# Altium PCB PCB1.PcbDoc
Units mil, origin at the board's own origin, x right, y up, seen from the top; angles counter-clockwise.
Board outline 2660.75 x 1000 mil, 5 copper layers (Top Layer, Layer 1, Mid-Layer 1, Layer 2, Bottom Layer), stack 37.756 mil thick; 50 components, 58 nets, 269 pads, 199 vias.
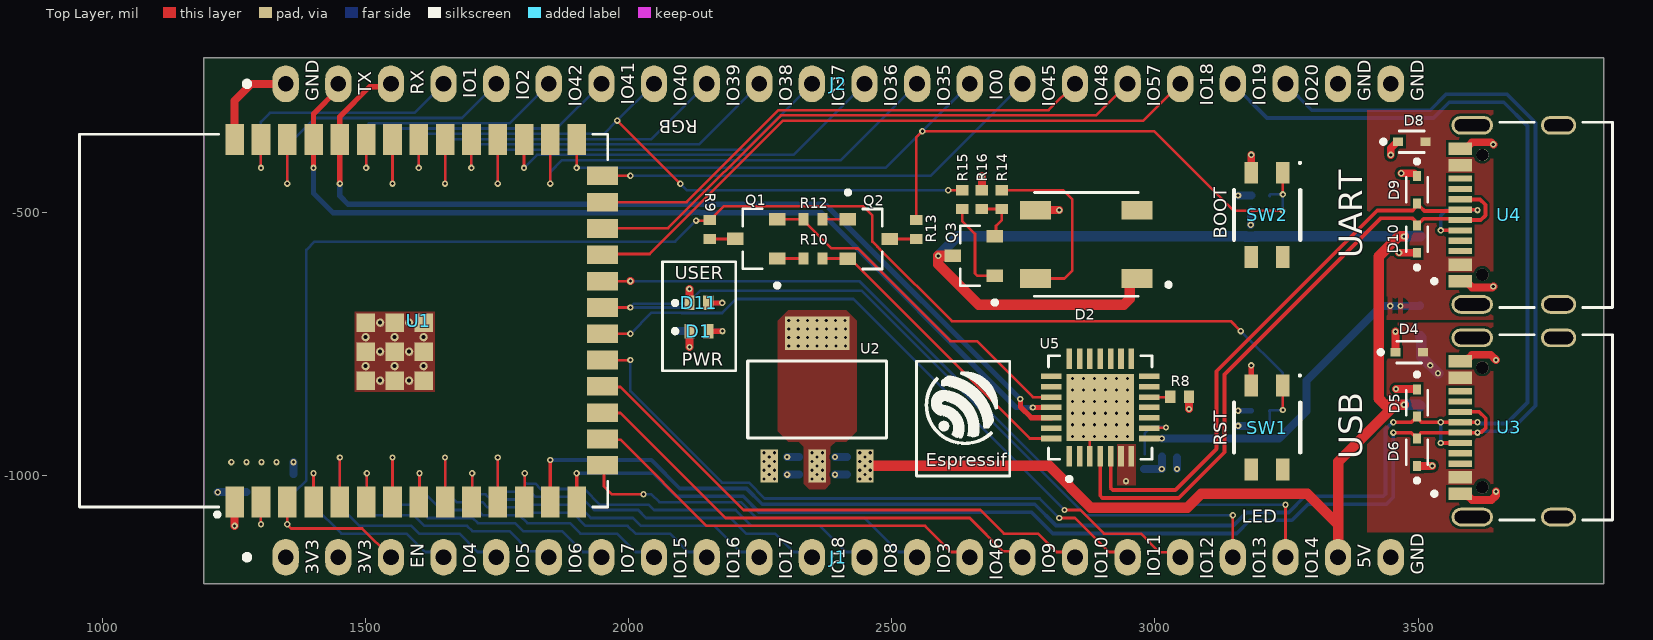
[diagram p0: Top Layer view]
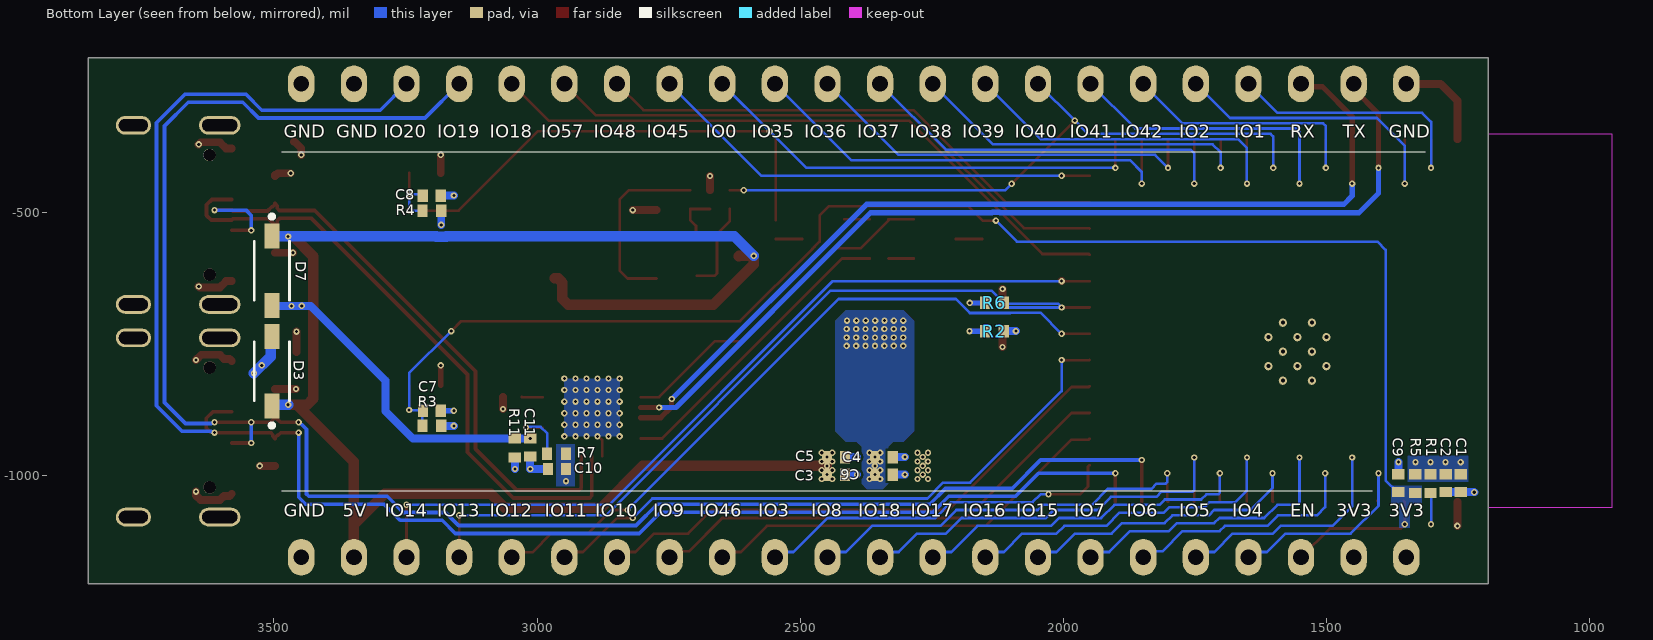
[diagram p1: Bottom Layer view, seen from below]
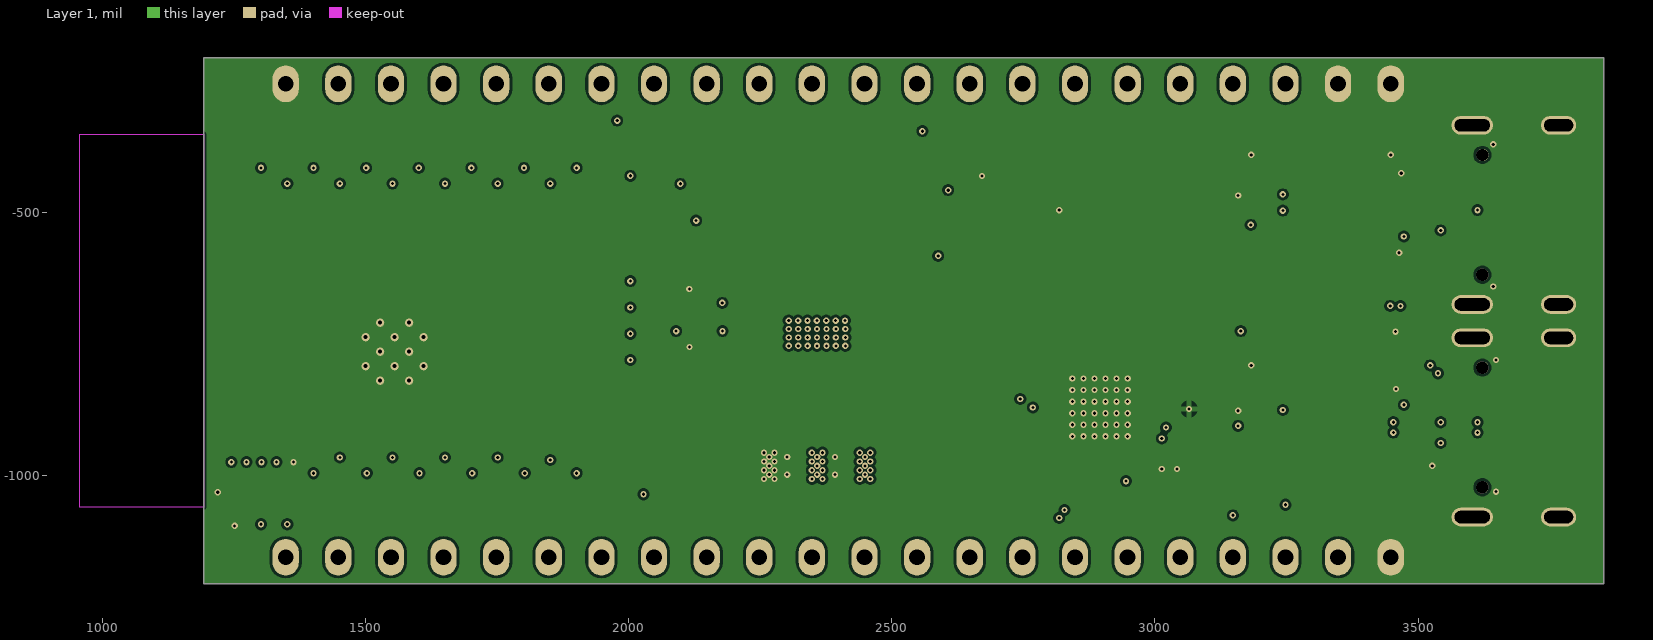
[diagram p2: Layer 1]
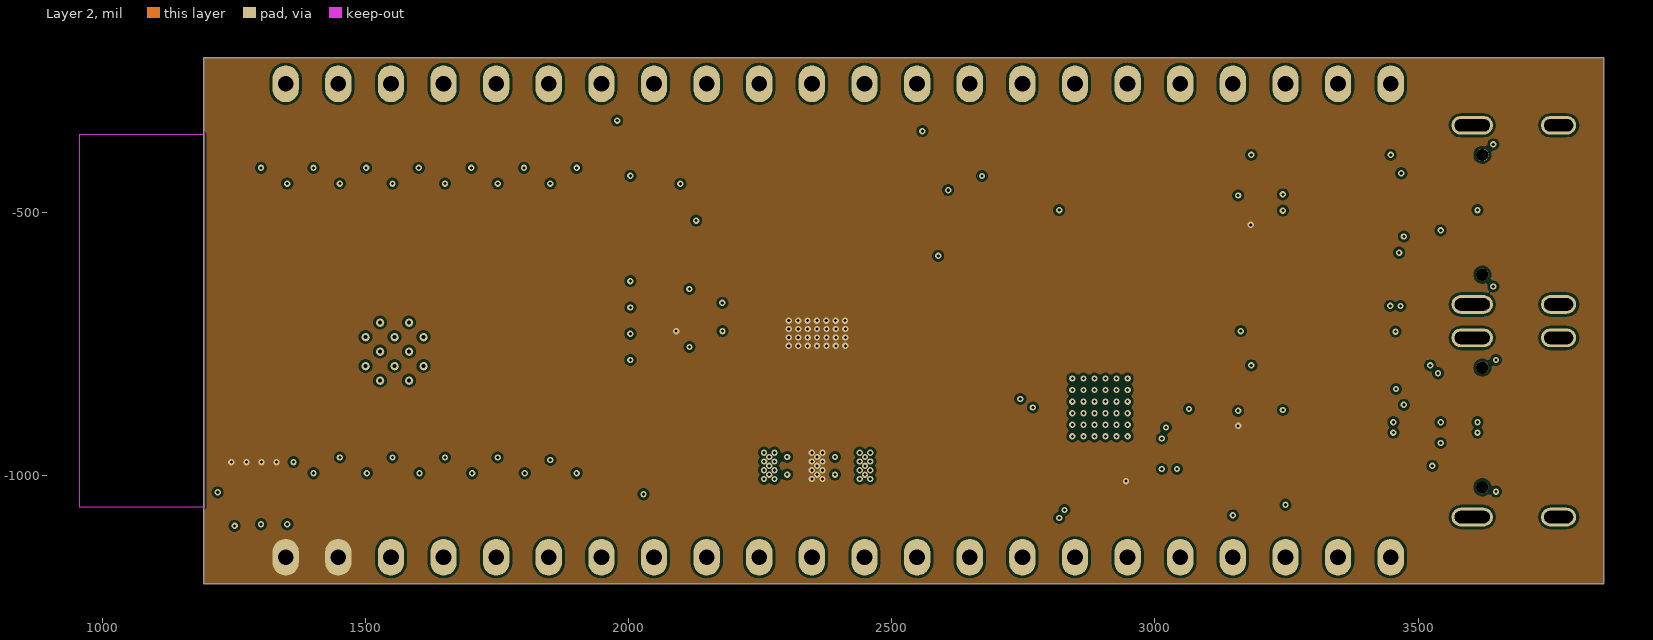
[diagram p3: Layer 2]
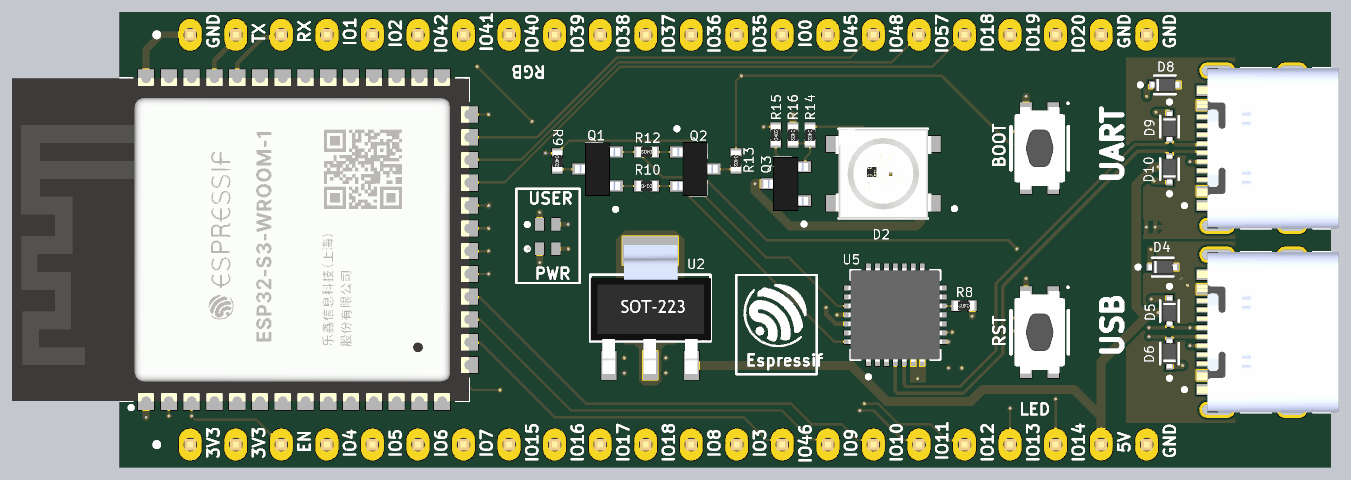
[diagram p4: 3D render of the assembled board from above, using the file's embedded part models]
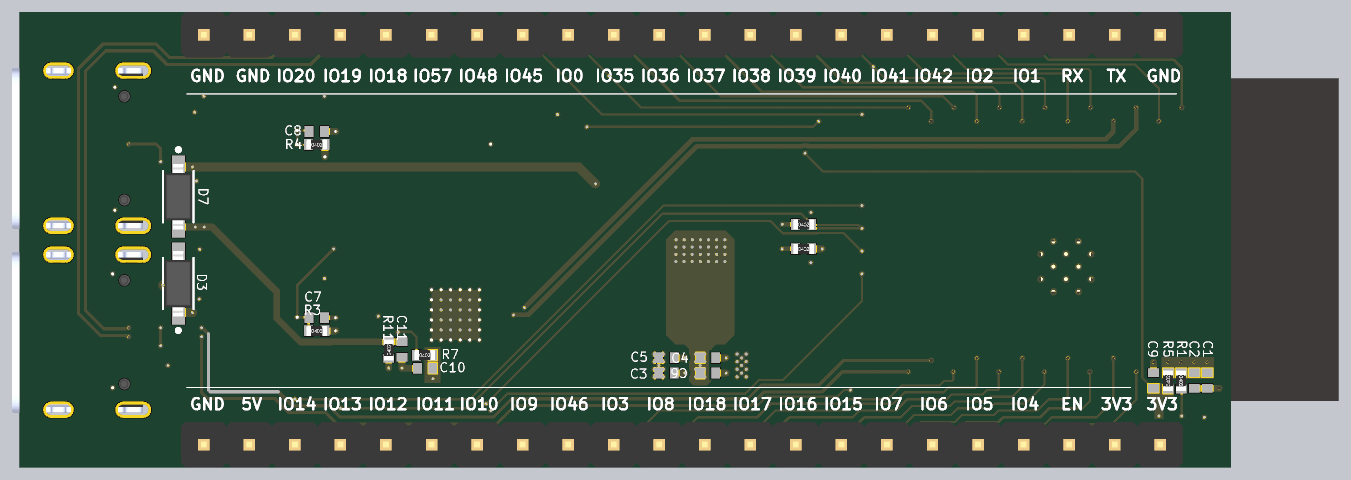
[diagram p5: 3D render of the assembled board from below, using the file's embedded part models]

## Layer stack, top to bottom
Top Solder: solder mask 0.4, Solder Resist, Dk 3.5
Top Layer: signal copper 1.4
Dielectric 2: prepreg 2.8, PP-006, Dk 4.1
Layer 1: signal copper 1.378
Dielectric 1: dielectric 12.6, FR-4, Dk 4.8
Mid-Layer 1: signal copper 1.4
Dielectric2: dielectric 12.6, FR-4, Dk 4.8
Layer 2: signal copper 1.378
Dielectric 3: prepreg 2.8, PP-006, Dk 4.1
Bottom Layer: signal copper 1.4
Bottom Solder: solder mask 0.4, Solder Resist, Dk 3.5

## Board outline
1192.25,-1206 1192.25,-206 3853,-206 3853,-1206

## Design rules (kind name [scope] priority, off if disabled: settings)
Clearance [All] p1: gap=5 ignorepadtopadclearanceinfootprint=TRUE
ComponentClearance [All] p1: gap=1 collisioncheckmode=3 verticalgap=100000 showdistances=FALSE
DiffPairsRouting DIFF90.1 [InDifferentialPair('Con1_USB')] p1: maxlimit=15 minlimit=5 mostfreqgap=8 toplayer_minwidth=7 toplayer_maxwidth=7 toplayer_prefwidth=7 midlayer1_maxgap=10 midlayer1_minwidth=7 midlayer1_maxwidth=7 midlayer1_prefwidth=7 midlayer2_maxgap=10 midlayer2_minwidth=7 midlayer2_maxwidth=7 midlayer2_prefwidth=7 midlayer3_maxgap=10 midlayer3_minwidth=7 midlayer3_maxwidth=7 midlayer3_prefwidth=7 bottomlayer_maxgap=10 bottomlayer_minwidth=7 bottomlayer_maxwidth=7 bottomlayer_prefwidth=7 maxuncoupledlength=500
DiffPairsRouting DIFF90 [InDifferentialPair('UART_USB')] p2: maxlimit=10 minlimit=8 mostfreqgap=8 toplayer_maxgap=8 toplayer_minwidth=7 toplayer_maxwidth=7 toplayer_prefwidth=7 midlayer1_minwidth=7 midlayer1_maxwidth=7 midlayer1_prefwidth=7 midlayer2_minwidth=7 midlayer2_maxwidth=7 midlayer2_prefwidth=7 midlayer3_minwidth=7 midlayer3_maxwidth=7 midlayer3_prefwidth=7 bottomlayer_maxgap=8 bottomlayer_minwidth=7 bottomlayer_maxwidth=7 bottomlayer_prefwidth=7 maxuncoupledlength=500
LayerPairs [All] p1: enforce=FALSE
PlaneConnect [All] p1: planeconnectstyle=Direct reliefexpansion=20 reliefentries=4 reliefconductorwidth=10 reliefairgap=10
PolygonConnect [All] p1: connectstyle=Direct reliefconductorwidth=10 reliefentries=4 polygonreliefangle="90 Angle" airgapwidth=10
RoutingLayers [All] p1: top layer_v5=TRUE mid layer 1_v5=FALSE mid layer 2_v5=TRUE mid layer 3_v5=TRUE bottom layer_v5=TRUE
RoutingVias [All] p1: holewidth=12 width=24 viastyle="Through Hole" minholewidth=12 minwidth=24 maxholewidth=12 maxwidth=24
SilkToSilkClearance [All] p1: silktosilkclearance=1
SolderMaskExpansion [All] p1: expansion=2 istentingtop=FALSE
UnRoutedNet [All] p1: checkbadconnections=TRUE
Width [All] p1: maxlimit=20 minlimit=5 preferedwidth=10 midlayer1_minwidth=10 midlayer2_minwidth=10 midlayer3_minwidth=10 minimp=50.000000 maximp=50.000000 favimp=50.000000
23 further rules are at their usual default settings.

## Classes and differential pairs
differential pair class DIFF90: Con1_USB UART_USB
component class "USB to UART": C10 C11 R7 R8 R9 R10 R11 R12 R13 U5
component class "Power Circuit": C3 C4 C5 C6 C7 C8 D1 R2 R3 R4 SW1 SW2 U2
component class Peripherals: D2 Q3 R14 R15 R16
component class "MCU Module": C1 C2 C9 D11 R1 R5 R6 R21 U1
component class Connectors: D3 D4 D5 D6 D7 D8 D9 D10 J1 J2 U3 U4
differential pair UART_USB: +UART_USB_P -UART_USB_N
differential pair Con1_USB: +Con1_USB_P -Con1_USB_N

## Components (designator, comment, footprint, x,y, rotation, side; value= is the part's Value field where it differs from the comment)
C1 "0.1uf" C0402 1244.74,-1015 r270 bottom
C2 "10uf" C0402 1273.37,-1015 r270 bottom
C3 "0.1uF" C0402 2341,-998.67 r0 bottom
C4 "10uF" C0402 2341,-965.33 r0 bottom
C5 "10uF" C0402 2431.99,-965.33 r0 bottom
C6 "0.1uF" C0402 2431.99,-998.67 r0 bottom
C7 "0.1uF" C0402 3200,-877.37 r0 bottom
C8 "0.1uF" C0402 3200.09,-468.37 r0 bottom
C9 "1uF" C0402 1363,-1015 r270 bottom
C10 "10uF" C0402 2962.09,-988 r180 bottom
C11 "1uF" C0402 3013,-947.05 r90 bottom
D1 "LED" LED0402 2133,-726 r0 top
D2 "WS2812B" WS28128B 2869.46,-560.96 r180 top
D3 "Diode" Diode 3504.82,-802.55 r90 bottom
D4 "LSD" LSD 3483,-766 r0 top
D5 "LSD" LSD 3498,-862.47 r270 top
D6 "LSD" LSD 3498,-956 r90 top
D7 "Diode" Diode 3503,-611 r270 bottom
D8 "LSD" LSD 3488,-366 r0 top
D9 "LSD" LSD 3498,-457.47 r270 top
D10 "LSD" LSD 3498,-551 r90 top
D11 "LED" LED0402 2133,-672.33 r0 top
J1 "22x1 male header" PCBComponent_1 2397.98,-1155.93 r0 top
J2 "22x1 male header" PCBComponent_1 2397.98,-256.25 r0 top
Q1 "Transistor" Transistor 2244,-551 r180 top
Q2 "Transistor" Transistor 2454.53,-550.51 r0 top
Q3 "Transistor" Transistor 2657.51,-583.4 r180 top
R1 "0" R0402 1303,-1013.91 r270 bottom
R2 "5K" R0402 2133,-727 r180 bottom
R3 "1K" R0402 3201.91,-907 r180 bottom
R4 "1K" R0402 3202,-498 r180 bottom
R5 "10K" R0402 1329.63,-1017.91 r90 bottom
R6 "5K" R0402 2132.91,-673.33 r180 bottom
R7 "1K" R0402 2965,-960.37 r180 bottom
R8 "10K" R0402 3048.91,-850 r180 top
R9 "1K" R0402 2153,-531 r270 top
R10 "1K" R0402 2348.07,-589 r0 top
R11 "47.5K" R0402 3041,-949.97 r90 bottom
R12 "1K" R0402 2352.07,-512.2 r180 top
R13 "1K" R0402 2545.13,-531 r270 top
R14 "1K" R0402 2707.82,-474.07 r270 top
R15 "1K" R0402 2634.56,-478.07 r90 top
R16 "10K" R0402 2670.19,-474.07 r270 top
SW1 "NTC013-AT1J-A160T" "Tactile sw" 3213,-904.15 r270 top
SW2 "NTC013-AT1J-A160T" "Tactile sw" 3213,-500.17 r270 top
U1 "ESP32-S3-WROOM-1" ESP32 1483.15,-700.94 r90 top
U2 "LM1117-3.3" SOT223 2358,-856 r0 top
U3 "Type C" "Type C" 3712.09,-909.01 r90 top
U4 "Type C" "Type C" 3712.09,-505.02 r90 top
U5 "CP2102N" QFN28 2896.03,-871 r90 top

## Footprints (in the part's own frame and the unit in brackets; to place one, negate y for a bottom-side part, rotate by r counter-clockwise, add the part's x,y. Pads: shape width x height; smd on the part's side, far side on the other; paste and mask are expansions set on the pad)
C0402 [mm]
  rect 0.49x0.6 smd: 01(-0.432,0) 02(0.432,0)
  body extent -0.52,-0.26 0.52,0.26, height 0.53
Diode [mm]
  rect 1.21x0.73 smd: A(1.69,-0.023) C(-1.67,-0.023)
  silkscreen extent -2.71,-0.87 1.44,0.83, body extent -1.81,-0.8 1.84,0.75, height 1.54
ESP32 [mm]
  rect 1.5x0.9 smd: 2(-8.877,4.625) 3(-8.877,3.355) 4(-8.877,2.085) 5(-8.877,0.815) 6(-8.877,-0.455) 7(-8.877,-1.725) 8(-8.877,-2.995) 9(-8.877,-4.265) 10(-8.877,-5.535) 11(-8.877,-6.805) 12(-8.877,-8.075) 13(-8.877,-9.345) 14(-8.877,-10.615) 27(8.623,-10.615) 28(8.623,-9.345) 29(8.623,-8.075) 30(8.623,-6.805) 31(8.623,-5.535) 32(8.623,-4.265) 33(8.623,-2.995) 34(8.623,-1.725) 35(8.623,-0.455) 36(8.623,0.815) 37(8.623,2.085) 38(8.623,3.355) 39(8.623,4.625) GND(-8.877,5.895) GND(8.623,5.895)
  rect 0.9x1.5 smd: 15(-7.112,-11.865) 16(-5.842,-11.865) 17(-4.572,-11.865) 18(-3.302,-11.865) 19(-2.032,-11.865) 20(-0.762,-11.865) 21(0.508,-11.865) 22(1.778,-11.865) 23(3.048,-11.865) 24(4.318,-11.865) 25(5.588,-11.865) 26(6.858,-11.865)
  round 0.4 hole 0.2 mask+0: GND(-3.027,-2.525) GND(-3.027,-1.125) GND(-2.327,-1.825) GND(-2.327,-0.425) GND(-2.327,-3.225) GND(-1.627,-2.525) GND(-1.627,-1.125) GND(-0.927,-0.425) GND(-0.927,-3.225) GND(-0.927,-1.825) GND(-0.227,-2.525) GND(-0.227,-1.125)
  rect 0.9x0.9 smd: GND(-3.027,-1.825) GND(-3.027,-0.425) GND(-3.027,-3.225) GND(-1.627,-1.825) GND(-1.627,-0.425) GND(-1.627,-3.225) GND(-0.227,-0.425) GND(-0.227,-1.825) GND(-0.227,-3.225)
  Keep-Out Layer region: 8.873,7.385 -9.127,7.385 -9.127,13.385 8.873,13.385
  Keep-Out Layer region: 8.873,7.385 -9.127,7.385 -9.127,13.385 8.873,13.385
  silkscreen extent -9.59,-12.12 8.87,13.38, body extent -9.14,-12.12 8.88,13.38, height 3.11
LED0402 [mm]
  rect 0.5x0.7 smd mask+0.05: 1(-0.45,0) 2(0.45,0)
  silkscreen extent -1.24,-0.1 -1.04,0.1, body extent -0.51,-0.25 0.51,0.25, height 0.45
LSD [mm]
  rect 0.48x0.4 smd: 1(-0.66,0) 2(0.66,0)
  silkscreen extent -1.47,-0.52 0.6,0.52, body extent -0.8,-0.4 0.8,0.4, height 0.7
PCBComponent_1 [mil]
  oval 50x70 hole 30: 1(-1049.98,0.25) 2(-949.98,0.25) 3(-849.98,0.25) 4(-749.98,0.25) 5(-649.98,0.25) 6(-549.98,0.25) 7(-449.98,0.25) 8(-349.98,0.25) 9(-249.98,0.25) 10(-149.98,0.25) 11(-49.98,0.25) 12(50.02,0.25) 13(150.02,0.25) 14(250.02,0.25) 15(350.02,0.25) 16(450.02,0.25) 17(550.02,0.25) 18(650.02,0.25) 19(750.02,0.25) 20(850.02,0.25) 21(950.02,0.25) 22(1050.02,0.25)
  silkscreen extent -1129,-5 -1119,5, body extent -1100,-50 1100,50, height 77
QFN28 [mm]
  rect 0.99x0.27 smd: 1(-2.36,1.5) 2(-2.36,1) 3(-2.36,0.5) 4(-2.36,0) 5(-2.36,-0.5) 6(-2.36,-1) 7(-2.36,-1.5) 15(2.36,-1.5) 16(2.36,-1) 17(2.36,-0.5) 18(2.36,0) 19(2.36,0.5) 20(2.36,1) 21(2.36,1.5)
  rect 0.27x0.99 smd: 8(-1.5,-2.36) 9(-1,-2.36) 10(-0.5,-2.36) 11(0,-2.36) 12(0.5,-2.36) 13(1,-2.36) 14(1.5,-2.36) 22(1.5,2.36) 23(1,2.36) 24(0.5,2.36) 25(0,2.36) 26(-0.5,2.36) 27(-1,2.36) 28(-1.5,2.36)
  rect 3.25x3.25 smd paste-0.597: 29(0,0)
  silkscreen extent -3.55,-2.5 2.5,2.5, body extent -2.6,-2.6 2.6,2.6, height 0.95
R0402 [mm]
  rect 0.49x0.6 smd: 01(-0.404,0.025) 02(0.506,0.025)
  body extent -0.52,-0.25 0.63,0.3, height 0.41
SOT223 [mil]
  rect 33x63 smd: 1(-91,-126) 2(0,-126) 3(91,-126)
  rect 122x63 smd: 4(0,126)
  silkscreen extent -132,-73 132,73, body extent -131,-145 133,139, height 74
"Tactile sw" [mm]
  rect 1.05x0.65 smd: 1(-1.905,0.762) 2(2.159,0.762) 3(-1.905,-0.762) 4(2.159,-0.762)
  silkscreen extent -2.44,-1.6 1.33,1.63, body extent -2.17,-1.4 2.43,1.4, height 1.9
Transistor [mm]
  rect 0.8x0.6 smd: 1(-0.965,0.94) 2(-0.965,-0.96) 3(1.055,-0.01)
  silkscreen extent -1.07,-1.46 0.69,2.34, body extent -1.2,-1.5 1.3,1.5, height 1.08
"Type C" [mm]
  rect 0.6x1.14 smd mask+0.05: A1_B12(-3.2,3.353) A4_B9(-2.4,3.353) B1_A12(3.2,3.353) B4_A9(2.4,3.353)
  rect 0.3x1.14 smd mask+0.05: A5(-1.25,3.353) A6(-0.25,3.353) A7(0.25,3.353) A8(1.25,3.353) B5(1.75,3.353) B6(0.75,3.353) B7(-0.75,3.353) B8(-1.75,3.353)
  oval 0.9x2 hole 0.6 slot 1.7 at 90 deg: S1(-4.325,2.773) S2(4.325,2.773)
  oval 0.9x1.7 hole 0.6 slot 1.4 at 90 deg: S3(-4.325,-1.397) S4(4.325,-1.397)
  round 0.6 hole 0.6 unplated: ""(-2.89,2.283) ""(2.89,2.283)
  silkscreen extent -4.47,-4 4.47,4.7, body extent -4.47,-4 4.47,3.91, height 3.31
WS28128B [mm]
  rect 1.5x0.9 smd: 1(-2.45,1.65) 2(-2.45,-1.65) 3(2.45,-1.65) 4(2.45,1.65)
  silkscreen extent -4.07,-2.5 2.5,2.5, body extent -2.68,-2.5 2.67,2.5, height 1.5

## Part data
C1 C2 C3 C4 C5 C6 C7 C8 C9 C10 C11: library part Cap
D2: "Intelligent control LED integrated light source"
R1 R2 R3 R4 R5 R6 R7 R8 R9 R10 R11 R12 R13 R14 R15 R16: library part Res
U1: "Bluetooth, WiFi 802.11b/g/n, Bluetooth v5.0 Transceiver Module 2.4GHz PCB Trace Surface Mount"
U2: "Linear Voltage Regulator IC Positive Fixed 1 Output 800mA DDPAK/TO-263-3"
U3 U4: "USB Connectors 24 Receptacle 1 8.94*7.3mm RoHS"
U5: "USB Bridge, USB to UART USB 2.0 UART Interface 28-QFN (5x5)"

## Via types
v1: diameter 12, hole 6, Top Layer to Bottom Layer, tented both sides, 198 vias
v2: diameter 12, hole 6, Top Layer to Bottom Layer, tented top, 1 vias

## Nets (pads, with @x,y where several pads share a name; then routed paths per layer and width w, separated by ;. In a path a pad name is that pad's centre, name@x,y a point inside that pad or via, vN(x,y) a via of type N, cw(c..) or ccw(c..) an arc to the next point about the centre after c; other vN are vias at no path point)
+3V3: C1.01 C2.01 C3.02 C4.02 C10.02 J1.1 J1.2 R1.01 R2.02 R3.02 R4.02 R5.02 R7.02 U2.2 U2.4 U5.6 U5.7 | length 74.1
  Bottom Layer w15: v1(2090,-726) R2.02 ; v1(3158,-906) R3.02 ; v1(3182.09,-524) R4.02
  other v1: 2945.09,-1011.09 2348,-1007 2368,-1007 2358,-998.67 2348,-990.33 2368,-990.33 2358,-982 1244.74,-975 1273.37,-975 1302,-975 1330.63,-975 2348,-973.67 2368,-973.67 2358,-965.33 2348,-957 2368,-957 2304,-754 2321.93,-754 2339.85,-754 2357.78,-754 2375.7,-754 2393.63,-754 2411.55,-754 2304,-738 2321.93,-738 2339.85,-738 2357.78,-738 2375.7,-738 2393.63,-738 2411.55,-738 2304,-722 2321.93,-722 2339.85,-722 2357.78,-722 2375.7,-722 2393.63,-722 2411.55,-722 2304,-706 2321.83,-706 2339.67,-706 2357.5,-706 2375.33,-706 2393.17,-706 2411,-706
+5V: C5.02 C6.02 D2.1 D3.C D7.C J1.21 Q3.3 U2.3 | length 3145.7
  Top Layer w20: v1(2448.99,-982) 2798.75,-982 2878.25,-1061.5 3061.33,-1061.5 3087.83,-1035 3289,-1035 3348,-1094 ; Q3.3@2616.53,-583.56 Q3.3 v1(2588,-583) 2588,-599 2665,-676 2940.39,-676 2952.11,-664.28 2952.11,-633.64 2959.82,-625.92 D2.1 ; J1.21 3348,-1094 ; v1(3473,-866) 3456.47,-866 ; v1(3473,-546) 3463.15,-546 3425,-584.15 3425,-854 3437,-866 3456.47,-866 ; 3348,-1094 3348,-974.47 3456.47,-866
  Bottom Layer w20: v1(2588,-583) 2625,-546 3172.27,-546 3172.77,-546.5 3191.41,-546.5 3191.91,-546 v1(3473,-546) 3503.18,-546 D7.C ; v1(3473,-866) 3501.63,-866 D3.C
  other v1: 2438.99,-1007 2458.99,-1007 2448.99,-998.67 2438.99,-990.34 2458.99,-990.34 2438.99,-973.67 2458.99,-973.67 2448.99,-965.34 2438.99,-957.01 2458.99,-957.01
Con1_USB_N: D5.2 J2.19 U1.13 U3.A7 U3.B7 | length 3387
  Top Layer w7: U1.13@1850.91,-1050.32 v1(1850.91,-971) ; v1(3453,-899.17) 3487.29,-899.17 3492.05,-894.4 3493.63,-894.4 3498,-890.03 D5.2 ; D5.2@3498.97,-891 3502.37,-894.4 3502.37,-895.06 3506.47,-899.17 v1(3543,-899.17) U3.A7 v1(3613,-899.17) ; v1(3543,-938.54) U3.B7
  Bottom Layer w7: v1(1850.91,-971) 2043,-971 2097,-1025 2223.77,-1025 2253.77,-1055 2771.49,-1055 2811.99,-1095.5 3149.01,-1095.5 3174.01,-1070.5 3254.01,-1070.5 3284.72,-1039.79 3433.9,-1039.79 3438,-1035.69 3438,-912.64 3446.79,-903.85 3446.96,-903.85 3451.65,-899.17 v1(3453,-899.17) ; J2.19 3213,-321 3529.21,-321 3559.21,-291 3663,-291 3708,-336 3708,-861.51 3668,-901.51 3618.88,-901.51 3617.49,-900.12 3613.96,-900.12 v1(3613,-899.17) ; v1(3543,-938.54) v1(3543,-899.17)
Con1_USB_P: D6.2 J2.20 U1.14 U3.A6 U3.B6 | length 3267.8
  Top Layer w7: U1.14@1900.91,-1050.32 v1(1900.91,-996) ; v1@3453.01,-918.84 3453.24,-919.07 3487.05,-919.07 3492.05,-924.07 3493.63,-924.07 3498,-928.44 D6.2 3502.37,-925.64 3502.37,-922.95 3506.47,-918.85 U3.A6 v1(3613,-918.85) 3613.96,-917.89 3620.72,-917.89 3628.68,-909.94 3628.68,-891.68 3616.48,-879.48 U3.B6
  Bottom Layer w7: v1(1900.91,-996) 2046.79,-996 2090.79,-1040 2217.56,-1040 2247.56,-1070 2765.28,-1070 2805.78,-1110.5 3155.22,-1110.5 3180.22,-1085.5 3260.22,-1085.5 3290.93,-1054.79 3440.11,-1054.79 3453,-1041.9 v1(3453,-918.85) ; J2.20 3298,-306 3523,-306 3553,-276 3669.21,-276 3723,-329.79 3723,-867.72 3674.21,-916.51 3618.88,-916.51 3617.49,-917.89 3613.96,-917.89 v1(3613,-918.85)
DTR: Q2.2 R10.02 U5.28 | length 576.8
  Top Layer w5: R10.02 2416.21,-588 2420.15,-588 2762.2,-930.06 U5.28
EN: C7.02 C9.02 J1.3 R3.01 R5.01 R9.01 SW1.1 U1.3 | length 2963.9
  Top Layer w5: U1.3@1353,-1048.24 1350.91,-1050.32 1350.91,-1093.91 1358,-1101 1493.33,-1101 J1.3 ; v1(2128,-516) 2153.09,-516 R9.01 2180.2,-488.89 2445.89,-488.89 2463,-506 2463,-556 2472.49,-565.49 2476.88,-569.91 2614,-707 3144,-707 v1(3163,-726) ; v1(3243,-876) SW1.1
  Bottom Layer w5: C9.02 1365.17,-1032 1387.41,-1009.75 1387.41,-571.59 1403,-556 2088,-556 v1(2128,-516) ; v1(3163,-726) 3243,-806 v1(3243,-876) 3218.37,-876 C7.02 3217.83,-878.19 R3.01
  other v1: 1351,-1093
GND: C1.02 C2.02 C3.01 C4.01 C5.01 C6.01 C7.01 C8.01 C9.01 C10.01 C11.01 D1.1 D2.3 D4.1 D5.1 D6.1 D8.1 D9.1 D10.1 D11.1 J1.22 J2.1 J2.21 J2.22 R8.01 R11.01 R16.01 SW1.3 SW2.3 U1.GND U2.1 U3.A1_B12 U3.B1_A12 U3.S1 U3.S2 U3.S3 U3.S4 U4.A1_B12 U4.B1_A12 U4.S1 U4.S2 U4.S3 U4.S4 U5.3 U5.29 | length 1304
  Top Layer w5: U5.3 2876.34,-932.48 2882.82,-926 v1(2885,-926)
  Top Layer w10: SW1.3 v1(3183,-791)
  Top Layer w15: v1(1250.91,-1096) U1.GND@1250.91,-1050.32 ; U1.GND@1250.91,-361.35 1250.91,-288.09 1283,-256 J2.1 ; D11.1@2115.2,-672.33 v1(2115.2,-646) ; v1(2115.28,-756) D1.1 D1.1@2116.46,-727.18 ; R16.01 v1(2671.19,-431) ; D2.3 v1(2818,-496) ; v1(3064.83,-874) R8.01 ; SW2.3 v1(3183,-391) ; v1(3448,-391) 3448,-378.44 3460.44,-366 D8.1 ; D4.1 v1(3457.02,-726.98) ; v1(3458,-836) 3497.63,-836 3498,-836.37 D5.1 ; v1(3463.98,-576.98) D10.1 ; v1(3468,-426) 3492.51,-426 3496.05,-429.54 3497.63,-429.54 3498,-429.91 D9.1 ; D6.1 v1(3527.02,-981.98) ; U3.A1_B12 3584.4,-1039.3 3595.03,-1039.3 3602.82,-1047.1 3639.21,-1047.1 3648,-1038.31 v1(3648,-1031) ; U3.B1_A12 3584.4,-778.71 3595.03,-778.71 3602.82,-770.92 3637.92,-770.92 v1(3648,-781) ; U4.A1_B12 3590.72,-631.01 3602.82,-643.11 3640.89,-643.11 v1(3643,-641) ; U4.B1_A12 3590.72,-379.04 3602.82,-366.93 3638.93,-366.93 v1(3643,-371)
  Bottom Layer w10: v1(3158,-877.37) C7.01
  Bottom Layer w15: v1(1218.75,-1032.25) 1219,-1032 C1.02 C2.02 ; C9.01 v1(1363,-975) ; v1(2301,-998.67) C3.01 ; v1(2301,-965.33) C4.01 ; v1(2392,-998.67) C6.01 ; v1(2392,-965.33) C5.01 ; C10.01 v1(3013,-988) C11.01 ; v1(3042,-988) R11.01 ; v1(3158,-468.37) C8.01
  other v1: 2257,-1007 2277,-1007 2267,-998.67 2257,-990.33 2277,-990.33 2267,-982 2257.19,-973.67 2277,-973.67 2267,-965.33 2257,-957 2277,-957 2843,-926 2864,-926 2906,-926 2927,-926 2948,-926 2843,-904 2864,-904 2885,-904 2906,-904 2927,-904 2948,-904 2843,-882 2864,-882 2885,-882 2906,-882 2927,-882 2948,-882 2843,-860 2864,-860 2885,-860 2906,-860 2927,-860 2948,-860 2843,-838 2864,-838 2885,-838 2906,-838 2927,-838 2948,-838 2843,-816 2864,-816 2885,-816 2906,-816 2927,-816 2948,-816
IO0: C8.02 J2.14 R4.01 R13.01 SW2.1 U1.27 | length 1911.2
  Top Layer w5: v1(1900.91,-415.67) U1.27@1900.91,-361.35 ; R13.01 2546.13,-357.87 v1(2558,-346) 2998,-346 3149,-497 v1@3240,-497 ; v1(3243,-466) SW2.1
  Bottom Layer w5: v1(1900.91,-415.67) 2488.33,-415.67 v1(2558,-346) J2.14 ; R4.01 v1(3243,-497) v1(3243,-466) 3219.45,-466 C8.02 C8.02@3218,-469.28
IO1: J2.4 U1.39 | length 518.9
  Top Layer w5: v1(1300.91,-415.67) U1.39@1300.91,-361.35
  Bottom Layer w5: v1(1300.91,-415.67) 1300.91,-328.09 1318,-311 1593,-311 J2.4
IO2: J2.5 U1.38 | length 601.9
  Top Layer w5: v1(1350.91,-445.67) U1.38@1350.91,-361.35
  Bottom Layer w5: v1(1350.91,-445.67) 1350.91,-374.09 1404,-321 1683,-321 J2.5
IO3: J1.13 U1.15 | length 692.1
  Top Layer w5: U1.15@1950.13,-980.84 1953,-983.71 1953,-1021 1968,-1036 v1(2028,-1036)
  Bottom Layer w5: v1(2028,-1036) 2043,-1036 2058,-1051 2213,-1051 2243,-1081 2448,-1081 2512.76,-1145.76 2538.09,-1145.76 J1.13
IO4: J1.4 U1.4 | length 406.9
  Top Layer w5: v1(1400.91,-996) 1400.91,-1050.32 U1.4@1403,-1048.24
  Bottom Layer w5: v1(1400.91,-996) 1400.91,-1058.09 1453.83,-1111 1578,-1111 1612.76,-1145.76 1638.09,-1145.76 J1.4
IO5: J1.5 U1.5 | length 514.4
  Top Layer w5: U1.5@1450.91,-1050.32 v1(1450.91,-966)
  Bottom Layer w5: v1(1450.91,-966) 1450.91,-1058.91 1488,-1096 1586.79,-1096 1601.79,-1111 1678,-1111 1712.76,-1145.76 1738.09,-1145.76 J1.5
IO6: J1.6 U1.6 | length 504.4
  Top Layer w5: U1.6@1500.91,-1050.32 1502.29,-1048.95 v1(1502.29,-996)
  Bottom Layer w5: v1(1502.29,-996) 1502.29,-1060.29 1518,-1076 1591.79,-1076 1611.79,-1096 1693,-1096 1703,-1106 1773,-1106 1811.58,-1144.58 1836.9,-1144.58 J1.6
IO7: J1.7 U1.7 | length 611
  Top Layer w5: U1.7@1550.91,-1050.32 v1(1550.91,-966)
  Bottom Layer w5: v1(1550.91,-966) 1550.91,-1053.07 1553.84,-1056 1593,-1056 1618,-1081 1703,-1081 1713,-1091 1784.21,-1091 1799.21,-1106 1873,-1106 1912.76,-1145.76 1938.09,-1145.76 J1.7
IO8: J1.12 U1.12 | length 776.7
  Top Layer w5: U1.12@1800.91,-1050.32 1802.29,-1048.95 v1(1802.29,-996)
  Bottom Layer w5: v1(1802.29,-996) 1802.29,-1013.07 1805.22,-1016 1822.29,-1016 1832.29,-1026 1915.43,-1026 1945.43,-1056 2038,-1056 2048,-1066 2203,-1066 2233,-1096 2363,-1096 2412.76,-1145.76 2438.09,-1145.76 J1.12
IO9: J1.15 U1.17 | length 911.7
  Top Layer w5: U1.17@1950.13,-880.84 1950.78,-881.49 1984.22,-881.49 2183.73,-1081 2648,-1081 2711.58,-1144.58 2736.9,-1144.58 J1.15
IO10: J1.16 U1.18 | length 1032.4
  Top Layer w5: U1.18@1950.13,-830.84 1951.51,-832.22 1984.22,-832.22 2218,-1066 2668,-1066 2713,-1111 2778,-1111 2812.76,-1145.76 2838.09,-1145.76 J1.16
IO11: J1.17 U1.19 | length 1187.7
  Top Layer w5: U1.19@1950.13,-780.84 1950.29,-781 v1(2003,-781) ; v1(2818,-1081) 2848,-1081 2912.76,-1145.76 2938.09,-1145.76 J1.17
  Bottom Layer w5: v1(2003,-781) 2003,-840 2177,-1014 2228.33,-1014 2258.33,-1044 2781,-1044 v1(2818,-1081)
IO12: J1.18 U1.20 | length 1329.1
  Top Layer w5: U1.20@1950.13,-730.84 1950.29,-731 v1(2003,-731) ; v1(2828,-1066) 2858,-1066 2903,-1111 2973,-1111 3008,-1146 3022.63,-1146 3032.31,-1155.67 J1.18
  Bottom Layer w5: v1(2003,-731) 2043,-691 2099.61,-691 2100.25,-691.64 2177.55,-691.64 2204.2,-665 2427,-665 v1(2828,-1066)
IO13: J1.19 R6.02 U1.21 | length 1577.7
  Top Layer w5: U1.21@1950.13,-680.84 1950.29,-681 v1(2003,-681) ; J1.19 v1(3148,-1076)
  Bottom Layer w5: R6.02@2113,-681 v1(2003,-681) 2010.15,-673.85 2111.48,-673.85 R6.02 2136.33,-649 2441.86,-649 2868.86,-1076 v1(3148,-1076)
IO14: J1.20 U1.22 | length 1568.9
  Top Layer w5: U1.22@1950.13,-630.84 1950.29,-631 v1(2003,-631) ; J1.20 v1(3248,-1056)
  Top Layer w15: v1@2002.84,-630.84 v1(2003,-631)
  Bottom Layer w5: v1(2003,-631) 2438,-631 2863,-1056 v1@3243,-1056
IO15: J1.8 U1.8 | length 583.2
  Top Layer w5: U1.8@1600.91,-1050.32 1602.29,-1048.95 v1(1602.29,-996)
  Bottom Layer w5: v1(1602.29,-996) 1602.29,-1024.08 1644.21,-1066 1713,-1066 1723,-1076 1792.49,-1076 1807.49,-1091 1888,-1091 1908,-1111 1978,-1111 2012.76,-1145.76 2038.09,-1145.76 J1.8
IO16: J1.9 U1.9 | length 696.8
  Top Layer w5: U1.9@1650.91,-1050.32 v1(1650.91,-966)
  Bottom Layer w5: v1(1650.91,-966) 1650.91,-1028.91 1673,-1051 1721.79,-1051 1731.79,-1061 1798.7,-1061 1808.7,-1071 1893,-1071 1918,-1096 1998,-1096 2013,-1111 2078,-1111 2112.76,-1145.76 2138.09,-1145.76 J1.9
IO17: J1.10 U1.10 | length 688.5
  Top Layer w5: U1.10@1700.91,-1050.32 1702.29,-1048.95 v1(1702.29,-996)
  Bottom Layer w5: v1(1702.29,-996) 1702.29,-1033.07 1705.22,-1036 1728,-1036 1738,-1046 1806.79,-1046 1816.79,-1056 1903,-1056 1928,-1081 2008,-1081 2023,-1096 2163,-1096 2212.76,-1145.76 2238.09,-1145.76 J1.10
IO18: J1.11 U1.11 | length 798.3
  Top Layer w5: v1(1750.91,-966) 1750.91,-1050.32 U1.11@1752.29,-1048.95
  Bottom Layer w5: v1(1750.91,-966) 1750.91,-1028.07 1753.84,-1031 1813,-1031 1823,-1041 1909.21,-1041 1934.21,-1066 2018,-1066 2033,-1081 2193,-1081 2223,-1111 2278,-1111 2312.76,-1145.76 2338.09,-1145.76 J1.11
IO21: J2.18 U1.23 | length 1232.4
  Top Layer w5: U1.23@1950.13,-580.84 1951.51,-579.45 2039.55,-579.45 2293,-326 2978,-326 J2.18
IO35: J2.13 U1.28 | length 873.2
  Top Layer w5: v1(1850.91,-445.67) U1.28@1850.91,-361.35
  Bottom Layer w5: v1(1850.91,-445.67) 1850.91,-423.09 1873,-401 2403,-401 J2.13
IO36: J2.12 U1.29 | length 767.6
  Top Layer w5: v1(1800.91,-415.67) U1.29@1800.91,-361.35
  Bottom Layer w5: v1(1800.91,-415.67) 1825.59,-391 2313,-391 J2.12
IO37: J2.11 U1.30 | length 793.7
  Top Layer w5: v1(1750.91,-445.67) U1.30@1750.91,-361.35
  Bottom Layer w5: v1(1750.91,-445.67) 1750.91,-388.09 1758,-381 2223,-381 J2.11
IO38: J2.10 U1.31 | length 684.9
  Top Layer w5: v1(1700.91,-415.67) U1.31@1700.91,-361.35
  Bottom Layer w5: v1(1700.91,-415.67) 1700.91,-386.02 1715.93,-371 2133,-371 J2.10
IO39: J2.9 U1.32 | length 699.6
  Top Layer w5: v1(1650.91,-445.67) U1.32@1650.91,-361.35
  Bottom Layer w5: v1(1650.91,-445.67) 1650.91,-378.09 1668,-361 2043,-361 J2.9
IO40: J2.8 R15.02 U1.33 | length 1312.8
  Top Layer w5: v1(1600.91,-415.67) U1.33@1600.91,-361.35 ; v1(1978,-326) v1(2098,-446) ; v1(2607.05,-458.16) R15.02
  Bottom Layer w5: v1(1600.91,-415.67) 1600.91,-356.02 1605.93,-351 1953,-351 v1(1978,-326) J2.8 ; v1(2098,-446) 2110.16,-458.16 v1(2607.05,-458.16)
IO41: J2.7 U1.34 | length 618.4
  Top Layer w5: v1(1550.91,-445.67) U1.34@1550.91,-361.35
  Bottom Layer w5: v1(1550.91,-445.67) 1550.91,-346.02 1555.93,-341 1863,-341 J2.7
IO42: J2.6 U1.35 | length 514.2
  Top Layer w5: v1(1500.91,-415.67) U1.35@1500.91,-361.35
  Bottom Layer w5: v1(1500.91,-415.67) 1500.91,-336.02 1505.93,-331 1773,-331 J2.6
IO45: J2.15 U1.26 | length 870.3
  Top Layer w5: U1.26@1950.13,-430.84 v1(2003,-430.84)
  Bottom Layer w5: v1(2003,-430.84) 2573.16,-430.84 J2.15
IO46: J1.14 U1.16 | length 791
  Top Layer w5: U1.16@1950.13,-930.84 1951.51,-932.22 1984.22,-932.22 2148,-1096 2563,-1096 2612.76,-1145.76 2638.09,-1145.76 J1.14
IO47: J2.17 U1.24 | length 1111.7
  Top Layer w5: U1.24@1950.13,-530.84 1950.8,-530.16 2074.7,-530.16 2288.86,-316 2888,-316 J2.17
IO48: J2.16 U1.25 | length 991
  Top Layer w5: U1.25@1950.13,-480.84 2109.88,-480.84 2284.72,-306 2798,-306 J2.16
NetD1_2: D1.2 R2.01 | length 56.4
  Top Layer w10: D1.2 v1(2178,-726)
  Bottom Layer w10: R2.01 v1(2178,-726)
NetD2_4: D2.4 R14.01 | length 352.8
  Top Layer w5: R14.01 2825.16,-458.16 2843,-476 2843,-611 2828,-626 2773.08,-626 D2.4
NetD11_2: D11.2 R6.01 | length 56.1
  Top Layer w10: D11.2@2150.63,-672.33 v1(2177.77,-672.33)
  Bottom Layer w10: R6.01 v1(2177.77,-672.33)
NetQ1_1: Q1.1 R10.01 | length 48.2
  Top Layer w5: Q1.1@2283.92,-588 R10.01
NetQ1_3: Q1.3 R9.02 | length 50.5
  Top Layer w5: R9.02 2204.08,-550.91 Q1.3@2204.4,-550.6
NetQ2_1: Q2.1 R12.01 | length 48.2
  Top Layer w5: R12.01 Q2.1@2416.21,-513.2
NetQ2_3: Q2.3 R13.02 | length 50.5
  Top Layer w5: Q2.3@2495.74,-550.6 Q2.3 R13.02
NetQ3_1: Q3.1 R15.01 | length 172.3
  Top Layer w5: R15.01 2633.56,-516.56 2658,-541 2658,-616 2662.96,-620.96 Q3.1@2696.06,-620.96
NetQ3_2: Q3.2 R14.02 R16.02 | length 95.1
  Top Layer w5: R16.02 R14.02 2708.82,-515.18 2698,-526 2698,-544.21 Q3.2@2696.06,-546.15
NetR1_02: R1.02 U1.2 | length 102.3
  Top Layer w5: v1(1300.91,-1093) U1.2@1300.91,-1050.32
  Bottom Layer w5: v1(1300.91,-1093) 1300.91,-1034.91 R1.02
NetR7_01: R7.01 U5.9 | length 117.5
  Top Layer w5: U5.9 2989.63,-909.68 3020.31,-909.68 v1(3021,-909)
  Bottom Layer w5: R7.01 2980.91,-920.02 2992.93,-908 3020,-908 v1(3021,-909)
NetR8_02: R8.02 U5.12 | length 40.2
  Top Layer w5: U5.12 3028.69,-851.32 R8.02
RTS: Q1.2 R12.02 U5.24 | length 660.5
  Top Layer w5: Q1.2@2283.92,-513.2 R12.02 2332.15,-515.36 2385.48,-568.69 2430.69,-568.69 2431,-569 2435.38,-569 2611.38,-745 2662,-745 2768.31,-851.32 U5.24
RX: J2.3 U1.36 U5.26 | length 1809.1
  Top Layer w10: v1(1450.91,-445.67) 1450.91,-318.09 1507.62,-261.38 1542.62,-261.38 J2.3 ; v1(2744,-855) 2744.38,-855.38 2744.38,-870.01 2765.06,-890.69 U5.26
  Bottom Layer w10: v1(1450.91,-445.67) 1450.91,-468.91 1467,-485 2374,-485 v1(2744,-855)
TX: J2.2 U1.37 U5.25 | length 1799.1
  Top Layer w10: v1(1400.91,-415.67) 1400.91,-361.35 1400.91,-313.09 1448,-266 J2.2 ; v1(2768,-871) U5.25
  Bottom Layer w10: v1(1400.91,-415.67) 1400.91,-463.91 1438,-501 2120.37,-501 2121.37,-500 2134.63,-500 2135.63,-501 2366,-501 2736,-871 v1(2768,-871)
UART_USB_N: D9.2 U4.A7 U4.B7 U5.5 | length 1221.4
  Top Layer w7: U5.5 2915.71,-1023.9 2919.81,-1028 3038.79,-1028 3117,-949.79 3117,-802 3422.26,-496.74 3489.53,-496.74 3493.63,-492.63 3493.63,-487.83 D9.2 3498,-485.03 3502.37,-489.4 3503.95,-489.4 3512.07,-497.52 3577.74,-497.52 3579.68,-495.59 3612.59,-495.59 v1(3613,-496) ; v1(3543,-534.55) U4.B7
  Bottom Layer w7: v1(3543,-534.55) 3543,-506 3553,-496 v1(3613,-496)
UART_USB_P: D10.2 U4.A6 U4.B6 U5.4 | length 1203.3
  Top Layer w7: U5.4 2896.03,-1038.9 2900.13,-1043 3045,-1043 3132,-956 3132,-808.21 3428.48,-511.74 3489.53,-511.74 3493.63,-515.84 3493.63,-520.64 D10.2 3498,-523.44 3502.37,-519.07 3503.95,-519.07 3510.49,-512.52 U4.A6@3577.74,-512.52 ; U4.A6 3619.13,-514.87 3628,-506 3628,-486 3617.75,-475.75 3580.34,-475.75 U4.B6
VB: D3.A D4.2 U3.A4_B9 U3.B4_A9 | length 84.1
  Bottom Layer w20: D3.A 3506.26,-738.35 3506.26,-774.26 v1(3538,-806)
  other v1: 3523,-791
VBB: C11.02 D7.A D8.2 R11.02 U4.A4_B9 U4.B4_A9 U5.8 | length 629.7
  Bottom Layer w15: v1(3013,-930.06) R11.02 3166.92,-930.06 3167.18,-930.31 3235.69,-930.31 3287.83,-878.17 3287.83,-820.17 3429.93,-678.07 3447,-678.07 v2(3466.66,-678.07) 3503.39,-678.07 D7.A
  other v1: 3447,-678
pads on no net: D2.2 SW1.2 SW1.4 SW2.2 SW2.4 U3. U3.A5 U3.A8 U3.B5 U3.B8 U4. U4.A5 U4.A8 U4.B5 U4.B8 U5.1 U5.2 U5.10 U5.11 U5.13 U5.14 U5.15 U5.16 U5.17 U5.18 U5.19 U5.20 U5.21 U5.22 U5.23 U5.27

## Polygon pours and split planes (outlines as drawn)
+3V3 on Bottom Layer "NONET_L-01_P-001" (solid, pour order 32): 2963,-941 2928,-941 2928,-1021 2963,-1021
+3V3 on Bottom Layer "NONET_L-01_P-001" (solid, pour order 27): 2413,-686 2303,-686 2283,-706 2283,-916 2303,-936 2323,-936 2333,-946 2333,-1016 2343,-1026 2373,-1026 2383,-1016 2383,-946 2393,-936 2413,-936 2433,-916 2433,-706
EN on Bottom Layer "NONET_L-01_P-001" (solid, pour order 26): 1377,-1020 1377,-1054 1361,-1054 1361,-1100 1341,-1100 1341,-1054 1319,-1054 1319,-1020
GND on Bottom Layer "NONET_L-01_P-001" (solid, pour order 23): 2843,-816 2843,-926 2948,-926 2948,-816
+3V3 on Bottom Layer "NONET_L-01_P-001" (solid, pour order 19): 1345,-963 1345,-1012 1230,-1012 1230,-963
VB on Top Layer "NONET_L-01_P-001" (solid, remove dead copper, pour order 35): 3643,-710.07 3403,-710.07 3403,-1108.07 3643,-1108.07
+3V3 on Top Layer "NONET_L-01_P-001" (solid, pour order 31): 2963,-941 2928,-941 2928,-1021 2963,-1021
VBB on Top Layer "NONET_L-01_P-001" (solid, remove dead copper, pour order 34): 3643,-306 3403,-306 3403,-704 3643,-704
+3V3 on Top Layer "NONET_L-01_P-001" (solid, pour order 29): 2413,-686 2303,-686 2283,-706 2283,-916 2303,-936 2323,-936 2333,-946 2333,-1016 2343,-1026 2373,-1026 2383,-1016 2383,-946 2393,-936 2413,-936 2433,-916 2433,-706
GND on Top Layer "NONET_L-01_P-001" (solid, pour order 8): 1631,-689 1479,-689 1479,-841 1631,-841
GND on Layer 1 "NONET_L-01_P-001" (solid, remove dead copper, pour order 30): 3853,-206 1193,-206 1193,-1206 3853,-1206
+3V3 on Layer 2 "NONET_L-01_P-001" (solid, remove dead copper, pour order 33): 3853,-206 3853,-1206 1193,-1206 1193,-206

## Silkscreen, mask and mechanical layers (free items; w line width, h text height)
Top Overlay:
  drawing of 13 lines, arcs and shapes, not listed
  text "TX" at 1510.5,-276.83 h25 r90
  text "RX" at 1610.5,-276.83 h25 r90
  text "IO1" at 1710.5,-283.07 h25 r90
  text "IO2" at 1810.5,-287.24 h25 r90
  text "IO0" at 2710.5,-287.24 h25 r90
  text "GND" at 1410.5,-289.32 h25 r90
  text "GND" at 3410.5,-289.32 h25 r90
  text "GND" at 3510.5,-289.32 h25 r90
  text "IO41" at 2010.5,-295.57 h25 r90
  text "IO18" at 3110.5,-297.65 h25 r90
  text "IO19" at 3210.5,-297.65 h25 r90
  text "IO42" at 1910.5,-299.74 h25 r90
  text "IO40" at 2110.5,-299.74 h25 r90
  text "IO39" at 2210.5,-299.74 h25 r90
  text "IO38" at 2310.5,-299.74 h25 r90
  text "IO37" at 2410.5,-299.74 h25 r90
  text "IO36" at 2510.5,-299.74 h25 r90
  text "IO35" at 2610.5,-299.74 h25 r90
  text "IO45" at 2810.5,-299.74 h25 r90
  text "IO48" at 2910.5,-299.74 h25 r90
  text "IO57" at 3010.5,-299.74 h25 r90
  text "IO20" at 3310.5,-299.74 h25 r90
  text "RGB" at 2131.32,-325 h25 r180
  text "BOOT" at 3136,-550.84 h25 r90
  text "UART" at 3394,-587.5 h45 r90
  text "USER" at 2087,-627 h25
  text "PWR" at 2101,-792 h25
  text "RST" at 3136,-944 h25 r90
  text "USB" at 3394,-968.99 h45 r90
  text "Espressif" at 2564.7,-982.36 h25
  text "LED" at 3165,-1090 h25
  text "EN" at 1610.5,-1176.5 h25 r90
  text "5V" at 3410.5,-1176.5 h25 r90
  text "IO4" at 1710.5,-1186.92 h25 r90
  text "IO5" at 1810.5,-1186.92 h25 r90
  text "IO6" at 1910.5,-1186.92 h25 r90
  text "IO7" at 2010.5,-1186.92 h25 r90
  text "IO8" at 2510.5,-1186.92 h25 r90
  text "IO3" at 2610.5,-1186.92 h25 r90
  text "IO9" at 2810.5,-1186.92 h25 r90
  text "3V3" at 1410.5,-1189 h25 r90
  text "3V3" at 1510.5,-1189 h25 r90
  text "GND" at 3510.5,-1189 h25 r90
  text "IO11" at 3010.5,-1193.17 h25 r90
  text "IO15" at 2110.5,-1197.33 h25 r90
  text "IO16" at 2210.5,-1197.33 h25 r90
  text "IO17" at 2310.5,-1197.33 h25 r90
  text "IO18" at 2410.5,-1197.33 h25 r90
  text "IO10" at 2910.5,-1197.33 h25 r90
  text "IO12" at 3110.5,-1197.33 h25 r90
  text "IO13" at 3210.5,-1197.33 h25 r90
  text "IO14" at 3310.5,-1197.33 h25 r90
  text "IO46" at 2710.5,-1199.41 h25 r90
Bottom Overlay:
  lines w2: 1312.32,-385.65 3485.32,-385.65 ; 1413,-1030 3485.32,-1030
  text "GND" at 1381.32,-358 h25
  text "TX" at 1468.83,-358 h25
  text "RX" at 1568.83,-358 h25
  text "IO1" at 1675.07,-358 h25
  text "IO2" at 1779.24,-358 h25
  text "IO42" at 1891.74,-358 h25
  text "IO41" at 1987.57,-358 h25
  text "IO40" at 2091.74,-358 h25
  text "IO39" at 2191.74,-358 h25
  text "IO38" at 2291.74,-358 h25
  text "IO37" at 2391.74,-358 h25
  text "IO36" at 2491.74,-358 h25
  text "IO35" at 2591.74,-358 h25
  text "IO0" at 2679.24,-358 h25
  text "IO45" at 2791.74,-358 h25
  text "IO48" at 2891.74,-358 h25
  text "IO57" at 2991.74,-358 h25
  text "IO18" at 3089.65,-358 h25
  text "IO19" at 3189.65,-358 h25
  text "IO20" at 3291.74,-358 h25
  text "GND" at 3381.32,-358 h25
  text "GND" at 3481.32,-358 h25
  text "3V3" at 1381.32,-1078.67 h25
  text "3V3" at 1481.32,-1078.67 h25
  text "EN" at 1568.83,-1078.67 h25
  text "IO4" at 1679.24,-1078.67 h25
  text "IO5" at 1779.24,-1078.67 h25
  text "IO6" at 1879.24,-1078.67 h25
  text "IO7" at 1979.24,-1078.67 h25
  text "IO15" at 2089.65,-1078.67 h25
  text "IO16" at 2189.65,-1078.67 h25
  text "IO17" at 2289.65,-1078.67 h25
  text "IO18" at 2389.65,-1078.67 h25
  text "IO8" at 2479.24,-1078.67 h25
  text "IO3" at 2579.24,-1078.67 h25
  text "IO46" at 2691.74,-1078.67 h25
  text "IO9" at 2779.24,-1078.67 h25
  text "IO10" at 2889.65,-1078.67 h25
  text "IO11" at 2985.49,-1078.67 h25
  text "IO12" at 3089.65,-1078.67 h25
  text "IO13" at 3189.65,-1078.67 h25
  text "IO14" at 3289.65,-1078.67 h25
  text "5V" at 3368.83,-1078.67 h25
  text "GND" at 3481.32,-1078.67 h25

## Text inside footprints (layer, text, board x,y; h text height)
U1: Mechanical 13 "ANTENNA" at 1084.13,-883.11 h50 r90
U3: Mechanical 13 "PCB EDGE" at 3912.09,-1019.01 h24 r90
U4: Mechanical 13 "PCB EDGE" at 3912.09,-615.02 h24 r90